# Altium PCB pUFM_Digital_Interface_R0.1-PCB.PcbDoc (part 2 of 3)
Units mm, origin at the board's own origin, x right, y up, seen from the top; angles counter-clockwise.
Board outline 147.37 x 77.37 mm, 2 copper layers (Top Layer, Bottom Layer), stack 1.57 mm thick; 267 components, 162 nets, 742 pads, 196 vias.
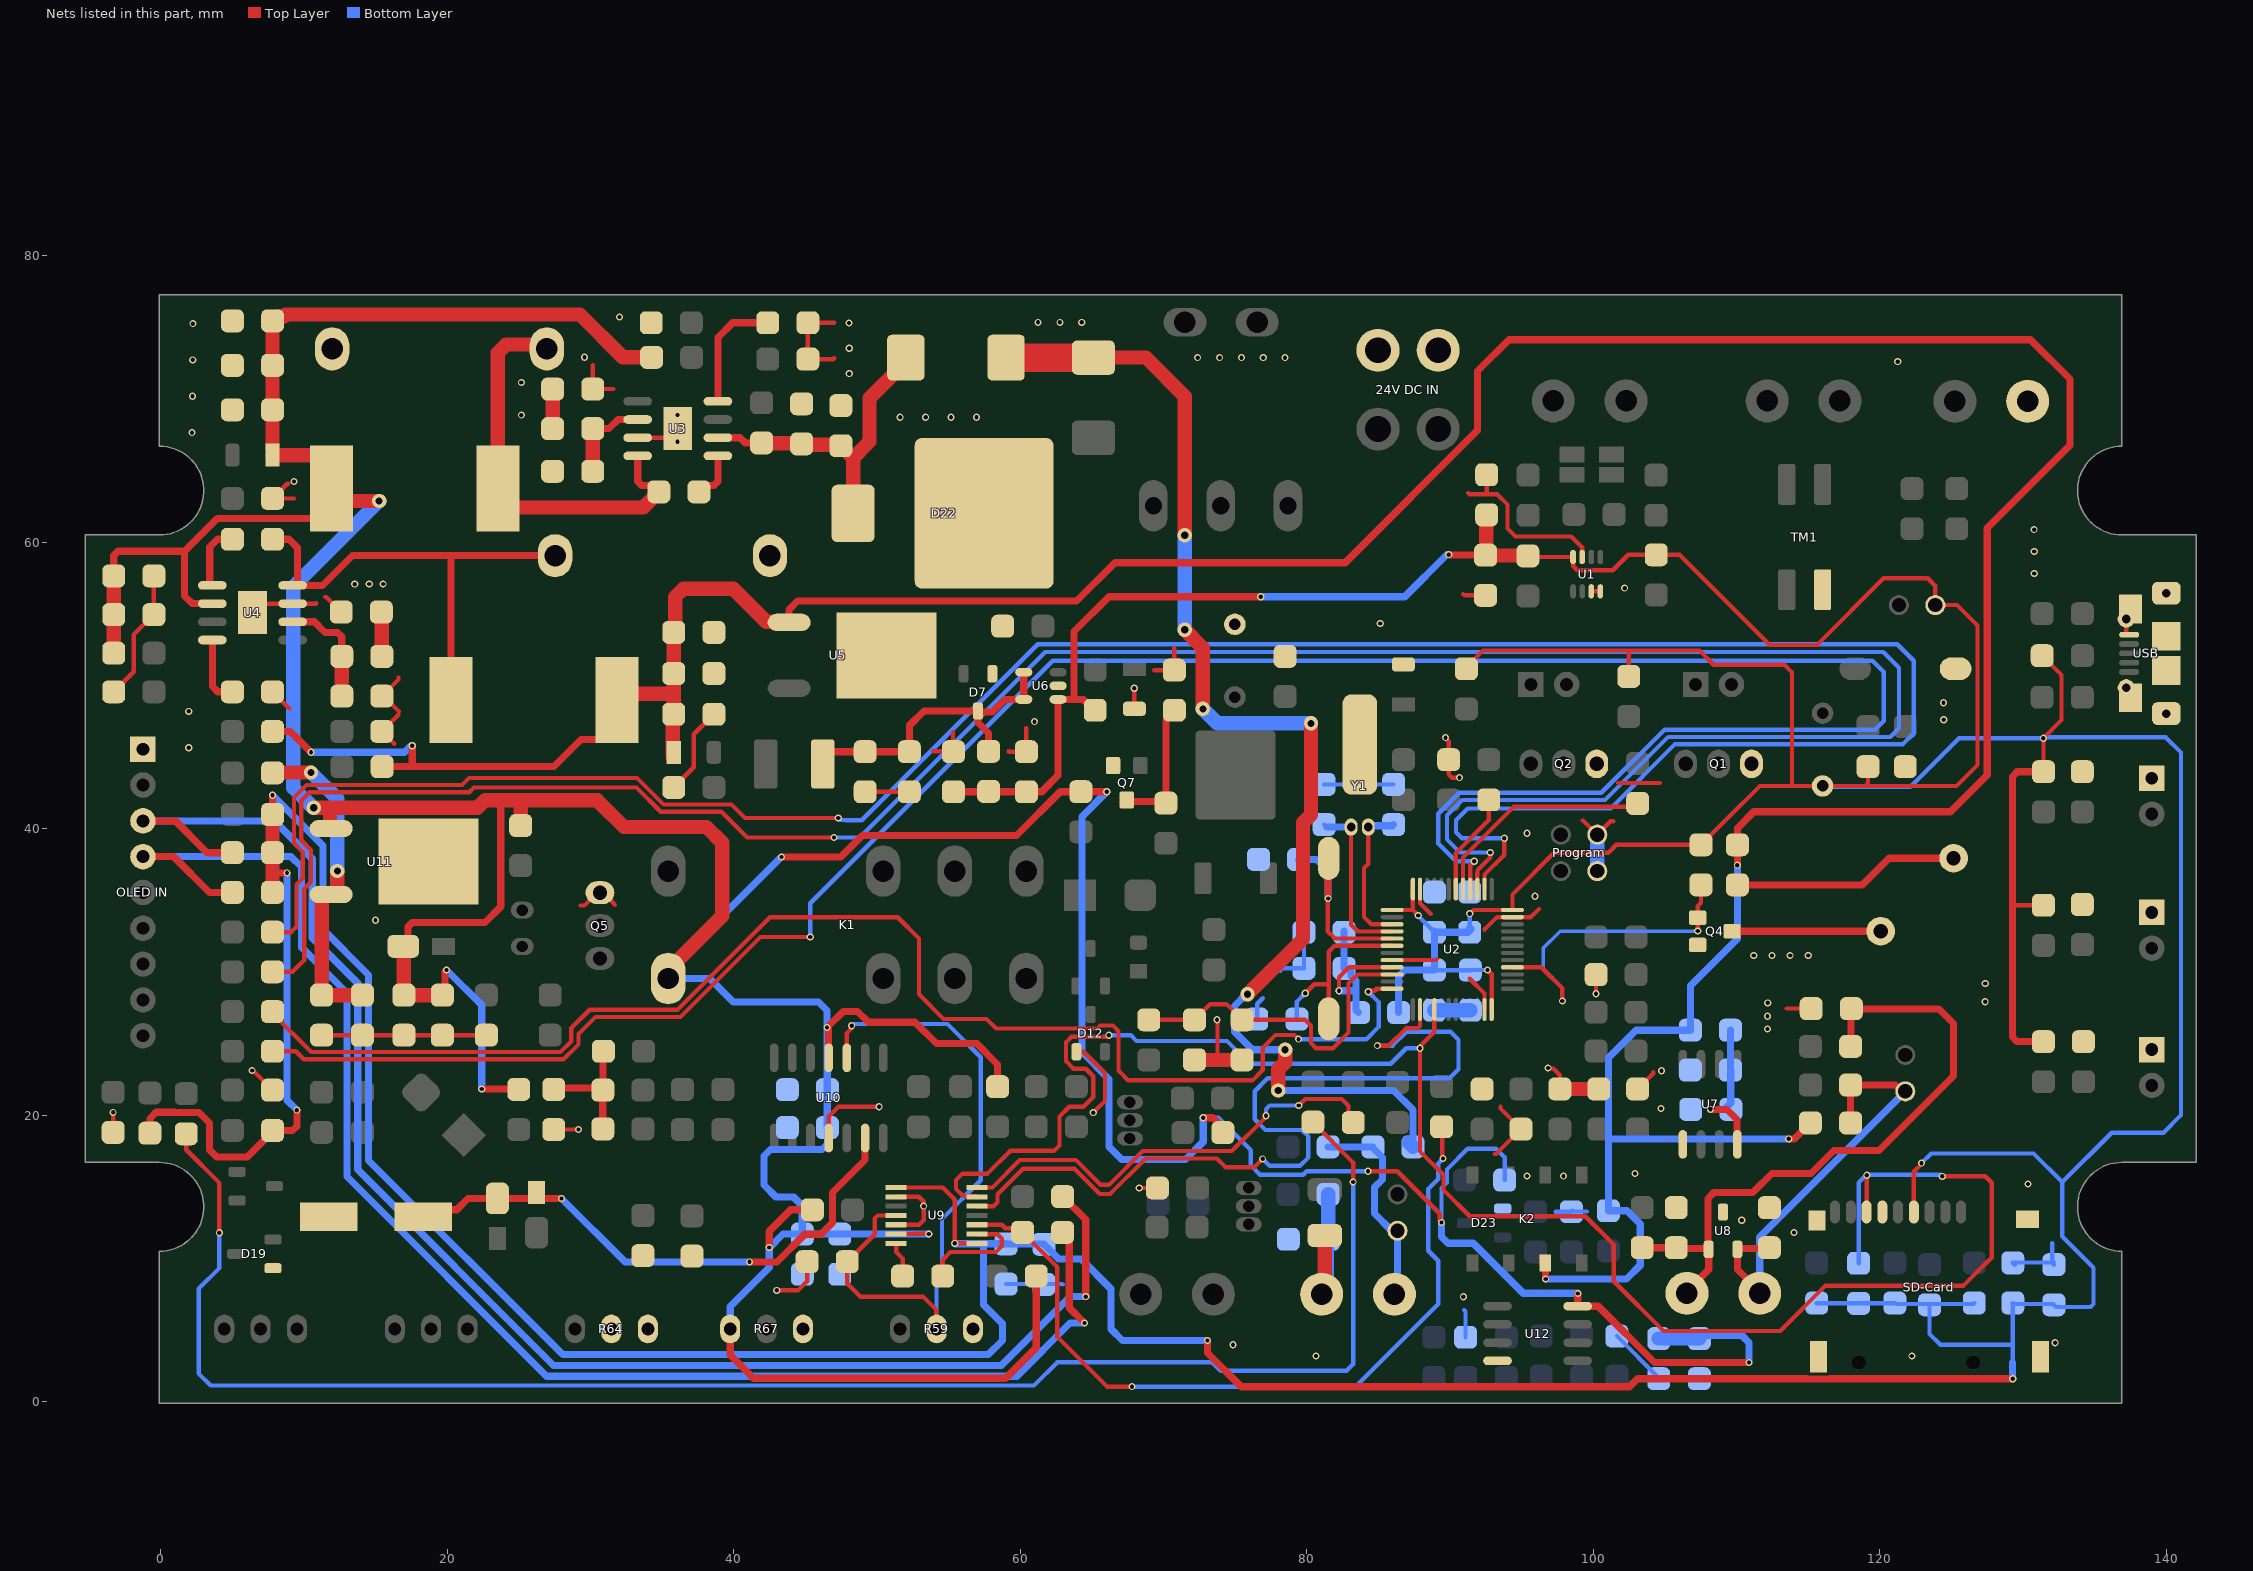
[diagram p2: the nets of this part, all layers, seen from the top]

## Part data
4-20mA "Converter OUT" "Power Measurment" Relay RS485 "Sensor IN": library part CONN_MSTB_2, "CONN, PHOENIX MSTB, 5-G, 5.08mm pitch", PARAM=12A, PARAM2=320V
"24V DC IN": library part "Header 2X2", "Header, 2-Pin, Dual row", LatestRevisionDate=17-Jul-2002, LatestRevisionNote="Re-released for DXP Platform.", Publisher="Altium Limited"
BOOT BUT1 BUT2 BUT3 LED1 LED2 Termination Test: library part HDR_M_1X2, "CONN, HEADER, Male, pitch: 2.54mm, 2POS"
Buzzer: library part BUZZER_C12, "Buzzer, 12X8.5mm, Magnetic Transducer", MANF="Buerklin, CUI", MANF_P#="CM12P, MT03-H1BHP, BMT1205XH7.5, CEM-1201(50)", PARAM="2048 ±200 Hz", PARAM2=3~7VCC, PRICE=PRICE
C1 C2 C3 C5 C7 C8 C9 C10 C11 C12 C13 C14 C15 C16 C17 C18 C19 C20 C21 C22 C23 C24 C25 C33 C34 C35 C36 C37 C38 C39 C40 C41 C42 C43 C44 C45 C46 C47 C48 C49 C50 C51 C53 C54 C55 C56 C57 C58 C59 C60 C61 C62 C63 C64 C65 C66: library part CAP_SMD_MLCC, "CAP, MLCC, 1nF, 50V, C0G, 10%, 0402", ASSEMBLY=ASSEMBLY, DESC="CAP, MLCC, 1nF, 50V, C0G, 10%, 0402", MANF=Murata, MANF_P#=MANF_PART#, PRICE="100= 1$"
  C1 C12 C15 C16 C18 C19 C33 C34 C35 C36 C37 C38 C39 C40 C41 C42 C43 C44 C45 C46 C47 C48 C49 C50 C51 C53 C54 C55 C56 C57 C58 C59 C60 C61 C62 C63 C64 C65 C66: PARAM="C0G, 10%", PARAM2=50V
  C2 C3 C5 C7 C8 C9 C10 C11 C13 C14 C17 C20 C21 C22 C23 C24 C25: PARAM=50V, PARAM2="C0G, 10%"
C4 C6 C26 C27 C28 C29 C30 C31 C32 C52: library part CAP_SMD_EL, "CAP, THD, ELEC,", ASSEMBLY=ASSEMBLY, DESC=DESCRIPTION, DIST#=MOUSER, MANF=MANF, MANF_P#=MANF_PART#
  C4 C6 C26 C27 C28 C29 C30 C31 C32: PARAM=25V, PARAM2=20%, PRICE="10= 5$"
  C52: PARAM=20%, PARAM2=50V, PRICE="10= -$"
D1 D15: library part DIODE_THD_1N4148_DO35, "DIODE, FAST SWTICHING, THD", ASSEMBLY=ASSEMBLY, DESC=DESCRIPTION, MANF=MANF, MANF_P#=1N4148, PARAM=75V, PARAM2=0.3A, PRICE=PRICE
D2 D4 D6: library part LED_SMD_1206_GRN, "LED, SMD, 1206, GREEN", ASSEMBLY=ASSEMBLY, DESC=DESCRIPTION, MANF=-, MANF_P#=-, PARAM=20mA, PARAM2=2.2V, PRICE=36t@Javan
D3 D5: library part DIODE_THD_SCHOTTKY_1N5822, "DIODE, SCHOTTKY, 40V, 3A", ASSEMBLY=ASSEMBLY, DESC=DESCRIPTION, MANF=Diodes, MANF_P#=1N5822, PARAM=40V, PARAM2=3A, PRICE=PRICE
D7: library part DIODE_SMD_ZENER_BZX84-C6V2, "DIODE, ZENER, 0.25W, 3.9V", ASSEMBLY=ASSEMBLY, DESC=DESCRIPTION, MANF=NXP, MANF_P#=BZX84-C3V9, PARAM="0.25W, 10mA IF", PARAM2="3.9V, 0.9VF", PRICE=PRICE
D8: library part LED_SMD_1206_BLU, "LED, SMD, 1206, BLUE", ASSEMBLY=ASSEMBLY, DESC=DESCRIPTION, MANF=MANF, MANF_P#=MANF_PART#, PARAM2=2.2V, PRICE=36t@Javan
D9 D16 D17: library part DIODE_SMD_1N4148_SOD80, "DIODE, FAST SWTICHING, 0.3A, 0.5W", ASSEMBLY=ASSEMBLY, DESC=DESCRIPTION, MANF=MANF, MANF_P#=1N4148, PARAM=75V, PARAM2="300mA, 0.5W", PRICE=PRICE
D10: library part LED_THD_5MM_RED, "LED, THD, 5MM, RED", ASSEMBLY=ASSEMBLY, DESC=DESCRIPTION, MANF=MANF, MANF_P#=MANF_PART#, PARAM2=2.2V, PRICE=PRICE
D11 D12 D18 D19: library part DIODE_SMD_ZENER_BZX84-C2V4, "DIODE, ZENER, 0.25W, 2.4V", ASSEMBLY=ASSEMBLY, DESC=DESCRIPTION, MANF=NXP, MANF_P#=BZX84-C5V1, PARAM="0.25W, 10mA IF", PARAM2="5.1V, 0.9VF", PRICE=PRICE
D13 D20: library part DIODE_SMD_SCHOTTKY_SS14, "DIODE, SCHOTTKY, 40V, 1A", ASSEMBLY=ASSEMBLY, DESC=DESCRIPTION, MANF=Vishay, MANF_P#=SS14-E3, PARAM=40V, PARAM2=1A, PRICE=PRICE
D14: "DIODE, ZENER, 0.2W, 2.7V", ASSEMBLY=ASSEMBLY, DESC=DESCRIPTION, MANF=Fairchild, MANF_P#=MM3Z2V7B, PARAM=2.7V, PARAM2=0.2W, PRICE=0.036
D21: library part ME04056001, "Diode-Rectifier,S,Single,400V,3A,SMC", Current-Max Forward=3A, Current-Max Reverse Leakage=10uA, Current-NonrepetitivePeakSurge=100A, Manufacturer Code1=0000101437, Manufacturer Name1=Vishay, Package/Case=SMC(DO-214AB), Temperature-Max Operation=150°C, Temperature-Min Operation=-55°C, Voltage-Max Forward=1.15V, Voltage-RepetitivePeakReverse=400V, AltCode-1=ALTE433:ACTIVE, Alternative="Please Add", AltMat-1=ME04050201, Automotive Qualified=AEC-Q101, ComponentLink1Description="DSH2027395RE: Datasheet-VISHAY", ComponentLink1URL=\\192.168.5.63\eRI_ComponentDatabase\Datasheets\SAP\DSH_2027395_00_1.PDF, ComponentLink2Description="DSH2066440RE: TDT_Infineon", ComponentLink2URL=\\192.168.5.63\eRI_ComponentDatabase\Datasheets\SAP\DSH_2066440_00_1.PDF, Description Farsi="SMC,400V,3A,Single,S,???? ???????", Function in Circuit="Please Add", Lead Free=YES, Manufacturer PN1=S3GHE3_A/I, Material=ME04056001, Material Class=Diode-Rectifier, Number of Unit=1, Packing="TAPE AND REEL", RoHS=YES, Temperature-Max Storage=150°C, Temperature-Min Storage=-55°C, Termination Style (SMD/THT)=SMD, Time-Reverse Recovery=2.5us, Unit Price (USD)="Coming Soon"
D22: library part ME04196201, "TVS,S,UNI,26.7V,6600W,DO218AB", Current-Max Reverse Leakage=10uA, Current-Peak Pulse=170A, Manufacturer Code1=0000101437, Manufacturer Name1=Vishay, Package/Case=DO-218AB, Power=6600W, Temperature-Max Operation=175°C, Temperature-Min Operation=-55°C, Voltage-Breakdown=26.7V, Voltage-Clamping=38.9V, Voltage-Standoff=24V, Alternative="Please Add", Automotive Qualified=AEC-Q101, ComponentLink1Description="DSH2075710RE: DSH-PKG_VISHAY", ComponentLink1URL=\\192.168.5.63\eRI_ComponentDatabase\Datasheets\SAP\DSH_2075710_00_1.PDF, ComponentLink2Description="DSH2079777RE: TDT_ST", ComponentLink2URL=\\192.168.5.63\eRI_ComponentDatabase\Datasheets\SAP\DSH_2079777_00_1.PDF, ComponentLink3Description="DSH2079518RE: TDT_Vishay", ComponentLink3URL=\\192.168.5.63\eRI_ComponentDatabase\Datasheets\SAP\DSH_2079518_00_1.PDF, Description Farsi="S,UNI,26.7V,6600W,DO218AB,???? ?????", ESD-HBM="Not Mentioned", ESD-MM="Not Mentioned", ESD-STD="NOT MENTIONED", Function in Circuit="Please Add", Halogen Free=NA, Lead Free=NA, Manufacturer PN1=SM8S24AHE3_A/I, Material=ME04196201, Material Class=TVS, Packing="TAPE AND REEL", RoHS=YES, Termination Style (SMD/THT)=SMD, Type=Unidirectional, Unit Price (USD)="Coming Soon"
D23: library part DIODE_SMD_ZENER_BZX84-C12, "DIODE, ZENER, 0.25W, 12.7V", ASSEMBLY=ASSEMBLY, DESC=DESCRIPTION, MANF=NXP, MANF_P#=BZX84-C12, PARAM="0.25W, 10mA IF", PARAM2="12.7V, 0.9VF", PRICE=PRICE
F1: library part ME05901801, "Thermistor,S,PTC,0.2A,1W,1812", Current-Hold=0.2A, Current-Trip=0.4A, Manufacturer 1=CYG, Manufacturer Code1=0000102083, Manufacturer Name1="Wayon Electronics Co.,Ltd", Package/Case=1812, Power=1W, Temperature-Max Operation=85°C, Temperature-Min Operation=-40°C, Voltage-Rated=30V, Alternative="Please Add", ComponentLink1Description="DSH2029237RE: Datasheet-CYG", ComponentLink1URL=\\192.168.5.63\eRI_ComponentDatabase\Datasheets\SAP\DSH_2029237_00_1.PDF, Description Farsi=????????,S,PTC,0.2A,1W,1812, Function in Circuit="Please Add", General MPN=LP-MSM020, Lead Free=YES, LeadTime=110, Manufacturer PN1=LP-MSM020, Material=ME05901801, Material Class=Thermistor, MPN1=LP-MSM020, Packing="TAPE AND REEL", Termination Style (SMD/THT)=SMD, Type=PTC, Unit Price (USD)="Coming Soon", Unit-measurement=PC
F2: library part FUSE_1A_2410, "Fuse, 1A, 125VDC, 2410, SMD, Fast Acting", MANF=Reomax, MANF_P#=SFE1100, PARAM="1A; 125VDC; fast acting", PARAM2="0.25 Ohm DC Cold Resistance", PRICE=260toman@Javan
FB1: library part FBEAD_SMD_BLM31PG330, "FERRITE_Bead, 1206, 6A, 9mOhm, 33@100MHz", MANF=Murata, MANF_P#=BLM31PG330SN1L, PARAM=33@100MHz, PARAM2="6A, 9mOhm"
K1: library part RELAY_DPST_8_2913_RT2, "Relay, DPDT, 8P, 29X13mm, RT2, 400VAC/8A", MANF=TE, MANF_P#=RTE24012, PARAM="12V, 30mA, 360Ohm", PARAM2="8A, 400VAC", PRICE=3$
K2: "No Description Available", Mfr_Name=Omron, RefDes=RefDes, Type=Type
L1 L2: library part IND_THD, "INDUCTOR, THD"
"OLED IN": library part HDR_M_1X9, "CONN, HEADER, Male, pitch: 2.54mm, 9POS"
ON/OFF: library part SWTOG_SPDT_R_M2012, "SWITCH, TOGGLE, SPDT, THD", ASSEMBLY=ASSEMBLY, DESC=DESCRIPTION, MANF=NKK, MANF_PART#=M2012SA2W30, PARAM="3A, 125VAC/30VDC", PRICE=3.5$
Program: library part HDR_M_2X2, "CONN, HEADER, Male, pitch: 2.54mm, 4POS", MANF=MANF, MANF_P#=MANF_PART#
Q1 Q2 Q5: library part NPN_BD139_TO126, "BJT, NPN, 80V, 1.5A", MANF=FAIRCHILD, MANF_P#=BD139
Q3: library part PNP_2N3906_TO92, "BJT, PNP, 40v, 0.6A, THD, TO92", MANF=ST, MANF_P#=2N3906, PARAM="40v, 0.2A", PARAM2=625mW
Q4 Q7: "NPN Silicon Digital Transistor"
Q6: library part ME11031101, "Transistor-MOSFET,S,P,15A,100V,TO-252", Capacitance-Input=1.49nF, Current-Max Drain=-15A, Current-Max Pulsed Drain=-60A, Manufacturer Code1=0000101173, Manufacturer Name1=Infineon, Package/Case="TO-252 (DPAK)", Power=128W, Resistance-ON (Ron)=200(mOhm), Temperature-Max Operation=175°C, Temperature-Min Operation=-55°C, Thermal Resistance-RJA=75(°K/W), Voltage-Breakdown Drain Source=-100V, Voltage-Max Gate Source=±20V, Voltage-Threshold Gate=-1V, AltCode-1=ALTE594:ACTIVE, AltMat-1=ME11028601, AltMat-2=ME11031301, Automotive Qualified=AEC-Q101, ComponentLink1Description="DSH2045621RE: Application Note-ON", ComponentLink1URL=\\192.168.5.63\eRI_ComponentDatabase\Datasheets\SAP\DSH_2045621_00_1.PDF, ComponentLink2Description="DSH2045618RE: Application Note-ON", ComponentLink2URL=\\192.168.5.63\eRI_ComponentDatabase\Datasheets\SAP\DSH_2045618_00_1.PDF, ComponentLink3Description="DSH2084696RE: DSH-PKG_Infineon", ComponentLink3URL=\\192.168.5.63\eRI_ComponentDatabase\Datasheets\SAP\DSH_2084696_00_1.PDF, ComponentLink4Description="DSH2066440RE: TDT_Infineon", ComponentLink4URL=\\192.168.5.63\eRI_ComponentDatabase\Datasheets\SAP\DSH_2066440_00_1.PDF, ComponentLink5Description="DSH2053301RE: TDT_PowerMOSFET", ComponentLink5URL=\\192.168.5.63\eRI_ComponentDatabase\Datasheets\SAP\DSH_2053301_00_1.PDF, ComponentLink6Description="DSH2065146RE: TDT_TOSHIBA", ComponentLink6URL=\\192.168.5.63\eRI_ComponentDatabase\Datasheets\SAP\DSH_2065146_00_1.PDF, Description Farsi=??????????-?????,S,P,15A,100V,TO-252, Function in Circuit="Please Add", Halogen Free="NOT MENTIONED", Lead Free=YES, Manufacturer PN1="SPD15P10PL G", Material=ME11031101, Material Class=Transistor-FET, Number of Unit=1, Packing="TAPE AND REEL", Polarity-N/P=P-CHANNEL, RoHS=YES, Size (LxWxH)/(DxH)=NA, Temperature-Max Storage=175°C, Temperature-Min Storage=-55°C, Termination Style (SMD/THT)=SMD, Type=MOSFET, Unit Price (USD)="Coming Soon", Voltage-Max Drain Source=-100V
Q8: library part NPN_2N3904_TO92, "BJT, NPN, 40v, 0.6A, THD, TO92", MANF=ST, MANF_P#=2N3904, PARAM="40v, 0.2A", PARAM2=625mW
R1 R2 R3 R4 R5 R6 R7 R8 R9 R10 R11 R12 R13 R14 R15 R16 R17 R18 R19 R20 R21 R22 R23 R24 R25 R26 R27 R28 R29 R30 R31 R32 R33 R34 R35 R36 R37 R38 R39 R40 R41 R42 R43 R46 R47 R48 R49 R50 R51 R52 R53 R54 R55 R56 R57 R58 R60 R61 R65 R66 R68 R69 R70 R72 R73 R74 R75 R76 R77 R78 R79 R80 R81 R82 R83 R84 R85 R86 R87 R88 R89 R90 R91 R92 R93 R94 R95 R96 R97 R98 R99 R100 R101 R102 R103 R104 R105 R106 R107 R108 R109 R110 R111 R112 R113 R114 R115 R116 R117 R118 R119 R120 R121 R122 R123 R124 R125 R126: library part RES_SMD, "RESISTOR, SMD", ASSEMBLY=ASSEMBLY, DESC=DESCRIPTION, DIST#=MOUSER, PRICE="100= 0.5$"
  R1 R2 R3 R4 R6 R7 R8 R12 R15 R18 R19 R20 R21 R22 R26 R27 R28 R29 R30 R31 R32 R42: MANF="KOA SPEER", MANF_P#=RK73H1ETTP4701F, PARAM=0.063W, PARAM2=1%
  R5 R10 R41: MANF="KOA SPEER", MANF_P#=RK73H1ETTP4701F, PARAM=0.063W, PARAM2=10%
  R9 R11 R13 R14 R16 R17 R23 R24 R25 R33 R34 R35 R36 R37 R38 R39 R40 R43 R46 R47 R48 R49 R50 R51 R52 R53 R54 R55 R56 R57 R58 R60 R61 R65 R66 R68 R69 R70 R72 R73 R74 R75 R76 R77 R78 R79 R80 R81 R82 R83 R84 R85 R86 R87 R88 R89 R90 R91 R92 R93 R94 R95 R96 R97 R98 R99 R100 R101 R102 R103 R104 R105 R106 R107 R108 R109 R110 R111 R112 R113 R114 R115 R116 R117 R118 R119 R120 R121 R122 R123 R124 R125 R126: MANF=-, MANF_P#=-, PARAM=-W, PARAM2=1%
R44 R45: library part RES_SMD_1206, "RESISTOR, SMD", ASSEMBLY=ASSEMBLY, DESC=DESCRIPTION, DIST#=MOUSER, MANF=-, MANF_P#=-, PARAM=-W, PARAM2=1%, PRICE="100= 0.5$"
R59 R62 R63 R64 R67: library part RES_THD_POT_3296W, "RESISTOR, THD, Potentiometer"
R71: library part ME05186701, "Resistor,S,TF,0.1R,1/2W,0.25%,1206", Current-Rated=20A, Manufacturer Code1=0000103772, Manufacturer Name1="Ohmite Co.", Manufacturer PN1=LVK12R100CER, Package/Case=1206, Power=1/2W, Temperature-Max Operation (TJ)=125?, Temperature-Min Operation (TJ)=-40?, Tolerance=±0.25%, Voltage-Max Overload=1.41V, Voltage-Max RCWV=0.224V, Alternative="Please Add", Automotive Qualified=Non-Automotive, ComponentLink1Description="DSH2024957RE: Application Note-Vishay", ComponentLink1URL=\\192.168.5.63\eRI_ComponentDatabase\Datasheets\SAP\DSH_2024957_00_1.PDF, ComponentLink2Description="DSH2027350RE: Application Note-Vishay", ComponentLink2URL=\\192.168.5.63\eRI_ComponentDatabase\Datasheets\SAP\DSH_2027350_00_1.PDF, ComponentLink3Description="DSH2084726RE: DSH-PKG-PDT_Ohmite", ComponentLink3URL=\\192.168.5.63\eRI_ComponentDatabase\Datasheets\SAP\DSH_2084726_00_1.PDF, ComponentLink9Description="How to Select", Description Farsi=S,TF,0.1R,1/2W,0.25%,1206,??????, Function in Circuit="Please Add", Halogen Free=NO, Lead Free=YES, Material=ME05186701, Material Class=Resistor, Number of Unit=1, Packing="TAPE AND REEL", RoHS=YES, TCR1=±50, Termination Style (SMD/THT)=SMD, Torque-Nominal="Not Applicable", Type=Chip, Unit Price (USD)="Coming Soon"
RESET: library part SWPBS_SPST_6X3X4, "SWITCH, PUSH BUTTON, TACTILE, SMD, SPST, 6X3.5X4.3mm", ASSEMBLY=ASSEMBLY, DESC=DESCRIPTION, MANF=Panasonic, MANF_P#=EVQ-PNF04M, PARAM=PARAM, PRICE=PRICE
SD-Card: library part SOCKET_SDMICRO_AT, "SD MICRO exist in Iran, Attend 112J-TDAR-R01", MANF=Attend, MANF_P#=112J-TDAR-R01, PARAM=push-push
TM1: library part ME90902601, "Inductor,S,Choke,Ferrite,800mA,30%,7.1x6x4.8mm", Current-Rated=800mA, Frequency-Self Resonant (SRF)=NA, Frequency-Test-L=100KHz, Manufacturer Code1=0000101476, Manufacturer Name1="TDK Europe GmbH", Resistance-DC (Rdc)=0.14(Ohm), Tolerance=±30%, Voltage-Rated=80V, Alternative="Please Add", Automotive Qualified=AEC-Q200, ComponentLink1Description="DSH2025891RE: Datasheet-TDK", ComponentLink1URL=\\192.168.5.63\eRI_ComponentDatabase\Datasheets\SAP\DSH_2025891_00_1.PDF, Description Farsi=????S?Choke?800mA?30%?7.1x6x4.8mm, Frequency-Test-Q=NA, Function in Circuit="Please Add", Lead Free=YES, Manufacturer PN1=B82793S0513N201, Material=ME90902601, Material Class=Inductor, Packing="TAPE AND REEL", Quality Factor (Q)=NA, RoHS=YES, Size (LxWxH)/(DxH)=L7.1xW6xH4.8mm, Termination Style (SMD/THT)=SMD, Type=Choke, Unit Price (USD)="Coming Soon"
U1: library part INA219_SOT23, "Current/Power Monitor, Zerø-Drift, Bidirectional, I2C", MANF="TEXAS INSTRUMENTS", MANF_P#="INA219AIDCN, INA219BIDCN", PARAM="0~26V, 0.5%, -40~125°C", PARAM2=3~5.5VCC
U2: library part STM32F103C8T6_QFP48, "MCU, STM32 ARM 32-bit, Cortex M3, 64KB FLASH, 20KB SRAM", DESC="CAN, I2C, SPI, USART, USB", MANF=ST, MANF_P#=STM32F103C8T6, PARAM="64KB FLASH, 20KB SRAM, -40~85oC", PARAM2="2~3.6VCC, 72MHz, 2X12Bit ADC", PRICE=6$
U3 U4: "No Description Available", Mfr_Name="Texas Instruments", Copyright="Copyright (C) 2022 Ultra Librarian. All rights reserved.", Manufacturer_Part_Number=TPS54332DDA, RefDes=RefDes, Type=Type
U5: library part VREG_LFXX_TO252, "REG, Linear, LDO0.45V, 0.5A, TO-252", MANF=ST, MANF_P#=LF33, PARAM="LDO0.45V, 0.5A", PARAM2=1.5/1.8/2.5/3.3/5V, PRICE=1500t
U6: "No Description Available", Mfr_Name=Silergy, Copyright="Copyright (C) 2023 Ultra Librarian. All rights reserved.", Manufacturer_Part_Number=SY6280AAC, RefDes=RefDes, Type=DEV
U7: library part ADM485_SOP8, "RS-485 Transceiver, 5V, SOP-8, ±7V Ground Difference Between Devices on the Bus", MANF="Analog Devices", MANF_P#=ADM485AR, PRICE=4000toman@PAYA
U8: library part TVS_X2_CDSOT23-SM712, "TVS, ESD PROTECT, 2CH, 400W/17A PP, 7.5VBR, ±8KV ESDmin", MANF=Bourns, MANF_P#=CDSOT23-SM712, PARAM="400W/17A peak-pulse", PARAM2="7.5VBR, ±8KV ESD min", PRICE=1.6$
U9: "Digital Potentiometer 100k Ohm 1 Circuit 1024 Taps SPI Interface 14-TSSOP", Package="TSSOP-14 Analog Devices", Availability=Unavailable, MF="Analog Devices", MP=AD5293BRUZ-100, PRICE=None, SnapEDA_Link=https://www.snapeda.com/parts/AD5293BRUZ-100/Analog%20Devices%20Inc./view-part/385281/?ref=snap
U10: library part LM324_SOP14, "AMP, Quad, Single-Supply", MANF="ON, Texas Instruments, ST", MANF_P#=LM324AD
U11: library part VREG_78M12_TO252, "REG, Linear, Fixed, 12v, 0.5A, TO-252", MANF="TI, ST, ON, ROHM, TS", MANF_P#="MC78M12CDT, UA78M12CKV, MC78M12ABDT, L78M12CDT, MC78M12BDT, BA78M12FP, TS78M12CP", PARAM="12v, 0.5A", PARAM2=PARAM2
U12: library part TL072_SOP8, "AMP, Dual, Lo-Noise, JFET Input", MANF="Texas Instruments", MANF_P#="TL072CDR, TL072IDR"
USB: library part CONN_USB_MICRO_B_BM_SHS, "CONN, USB, MICRO B, R/A, SMD, BOTTOM MOUNT", MANF=Molex, MANF_P#=47346-0001, MANF_P#2="HIROSE ZX62-AB-5PA", PARAM="1.8A, -20~85oC", PARAM2=30VAC, PRICE=0.75$
Y1: library part XTL_3_32.768_THD, "Crystal MOST POPULAR PACKAGE", MANF=ABRACON, MANF_P#=AB26T-32.768KHZ, PARAM="20PPM, -40~85°C", PARAM2=12pF
Y2: library part XTL_2_HC49_8MHz_SMD, "Crystal MOST POPULAR ABL HC49 PACKAGE", MANF=ABRACON, MANF_P#=ABLS-8.000MHZ-B4-T, PARAM="8MHz, 18pF, 30PPM, -20~70oC", PRICE=0.3$

## Via types
v1: diameter 0.5, hole 0.3, Top Layer to Bottom Layer, tented both sides, 185 vias
v2: diameter 1, hole 0.5, Top Layer to Bottom Layer, tented both sides, 11 vias

## Nets (pads, with @x,y where several pads share a name; then routed paths per layer and width w, separated by ;. In a path a pad name is that pad's centre, name@x,y a point inside that pad or via, vN(x,y) a via of type N, cw(c..) or ccw(c..) an arc to the next point about the centre after c; other vN are vias at no path point)
3V3: BOOT.1 C1.2 C2.2 C3.2 C5.2 C36.2 C37.2 C45.1 C46.1 C54.2 C55.2 C59.1 C60.1 D1.2 FB1.1 R1.2 R8.2 R12.2 R13.2 R14.1 R15.1 R16.2 R17.2 R23.2 R25.2 R34.2 R35.2 R38.1 R39.1 R74.2 R75.2 R85.2 R87.2 R94.2 R95.2 R96.1 R99.1 SD-Card.4 U1.4 U2.1 U2.24 U2.36 U2.48 U6.1 U9.1 U9.8 | length 572
  Top Layer w0.3: U9.1@51.336,14.967 54.587,14.967 55.423,14.131 v1(55.423,11.067) U9.8@56.975,11.067 ; U2.1@85.957,34.344 87.407,34.344 ; U2.48@87.407,35.794 87.407,34.344 ; v1(87.782,33.96) 87.782,33.968 87.407,34.344 ; R12.2@91.141,51.183 91.141,51.291 92.306,52.456 102.475,52.456 ; v1(91.377,34.087) 91.634,34.344 U2.36@94.357,34.344 94.357,35.423 97.268,38.334 101.052,38.334 101.609,38.89 R17.2@107.518,38.89 107.523,38.89 109.462,40.829 109.462,40.834 111.63,43.002 113.868,43.002 ; v1(92.608,30.15) 92.907,29.851 U2.24@92.907,27.394 ; R74.2@95.402,59.083 R74.2@95.428,59.058 95.501,58.985 U1.4@98.59,58.985 98.596,58.979 98.596,58.346 98.886,58.056 101.363,58.056 102.441,59.134 R75.2@104.394,59.134 106.029,59.134 112.32,52.843 115.606,52.843 120.265,57.502 123.342,57.502 123.876,56.968 BOOT.1@123.876,55.626 125.4,55.626 126.822,54.204 126.822,44.471 125.353,43.002 118.972,43.002 ; R8.2@102.475,50.648 102.475,52.456 ; R1.2@119.177,44.345 119.177,43.207 118.972,43.002 ; SD-Card.4@122.374,13.256 122.374,16.065 122.911,16.602 v1(122.911,16.669) ; 129.263,34.569 129.368,34.674 R23.2@131.42,34.674 ; R15.1@131.337,52.094 132.69,50.741 132.69,47.6 v1(131.42,46.33) 131.424,46.325 131.424,44.001 R25.2@131.429,43.996 ; 102.475,52.456 107.418,52.456 108.414,51.46 113.337,51.46 113.868,50.93 113.868,43.002 ; 113.868,43.002 D1.2@116.007,43.002 118.972,43.002
  Top Layer w0.5: R87.2@-0.762,18.768 -0.762,19.787 -0.33,20.218 0.998,20.218 1.004,20.213 2.673,20.213 3.407,19.479 3.407,17.602 3.902,17.107 6.04,17.107 7.801,18.867 R85.2@7.801,18.948 9.205,18.948 9.5,19.243 v1(9.5,20.371) ; R94.2@7.801,41.008 v1(7.801,42.354) ; 8.163,36.932 v1(8.814,36.932) ; C36.2@55.335,42.593 C37.2@60.423,42.593 61.496,42.593 62.643,43.739 U6.1@62.643,49.037 63.747,49.037 ; R35.2@65.231,48.282 65.149,48.282 64.395,49.037 63.747,49.037 ; v1(73.073,4.294) 73.073,3.407 75.419,1.061 102.517,1.061 103.078,1.623 114.921,1.623 114.938,1.606 116.511,1.606 116.528,1.623 v1(129.286,1.623) ; v1(76.79,56.212) 66.186,56.212 63.747,53.773 63.747,49.037 ; v1(89.907,59.147) 89.926,59.128 92.462,59.128 C55.2@92.481,59.109 C55.2@92.507,59.083 ; R16.2@131.42,25.149 129.588,25.149 129.263,25.474 129.263,34.569 129.263,43.665 129.594,43.996 R25.2@131.429,43.996
  Top Layer w1: R38.1@7.801,35.569 R39.1@7.801,38.341 R94.2@7.801,41.008 ; C55.2@92.481,59.109 92.519,59.147 92.519,61.884 C54.2@92.558,61.922 ; C55.2@92.507,59.083 R74.2@95.402,59.083
  Bottom Layer w0.3: v1@87.801,33.96 v1(87.782,33.96) 87.782,33.913 C5.2@88.9,32.795 ; C5.2@88.9,32.86 C5.2@88.9,32.795 ; C1.2@88.907,30.144 C2.2@91.377,30.144 ; C5.2@88.907,32.788 C5.2@88.9,32.795 ; C3.2@91.377,33.071 v1(91.377,34.087) ; C2.2@91.415,30.144 91.415,30.107 91.458,30.15 v1(92.608,30.15) ; R99.1@115.595,6.906 115.608,6.893 118.511,6.893 R13.2@118.524,6.88 118.537,6.893 121.044,6.893 R96.1@121.056,6.906 121.12,6.842 123.41,6.842 R95.2@123.473,6.779 ; D1.2@116.007,43.002 116.083,42.926 122.123,42.926 125.527,46.33 v1(131.42,46.33) 131.496,46.406 139.954,46.406 141.025,45.335 141.025,20.021 139.8,18.796 136.19,18.796 132.739,15.345 ; v1(122.911,16.669) 123.59,17.348 130.736,17.348 132.739,15.345 ; R14.1@126.594,6.906 126.53,6.842 123.537,6.842 R95.2@123.473,6.779 ; 129.274,2.756 129.286,2.767 129.286,4 ; R95.2@123.473,6.779 123.473,4.746 124.219,4 129.286,4 ; 129.286,4 C60.1@129.286,6.906 129.35,6.842 132.093,6.842 C59.1@132.156,6.779 132.306,6.629 134.72,6.629 134.925,6.834 134.925,9.373 132.739,11.558 132.739,15.345